# Altium PCB 同向调偏放大器.PcbDoc
Units mm, origin at the board's own origin, x right, y up, seen from the top; angles counter-clockwise.
Board outline 47.88 x 39 mm, 2 copper layers (Top Layer, Bottom Layer); 28 components, 13 nets, 75 pads, 13 vias.
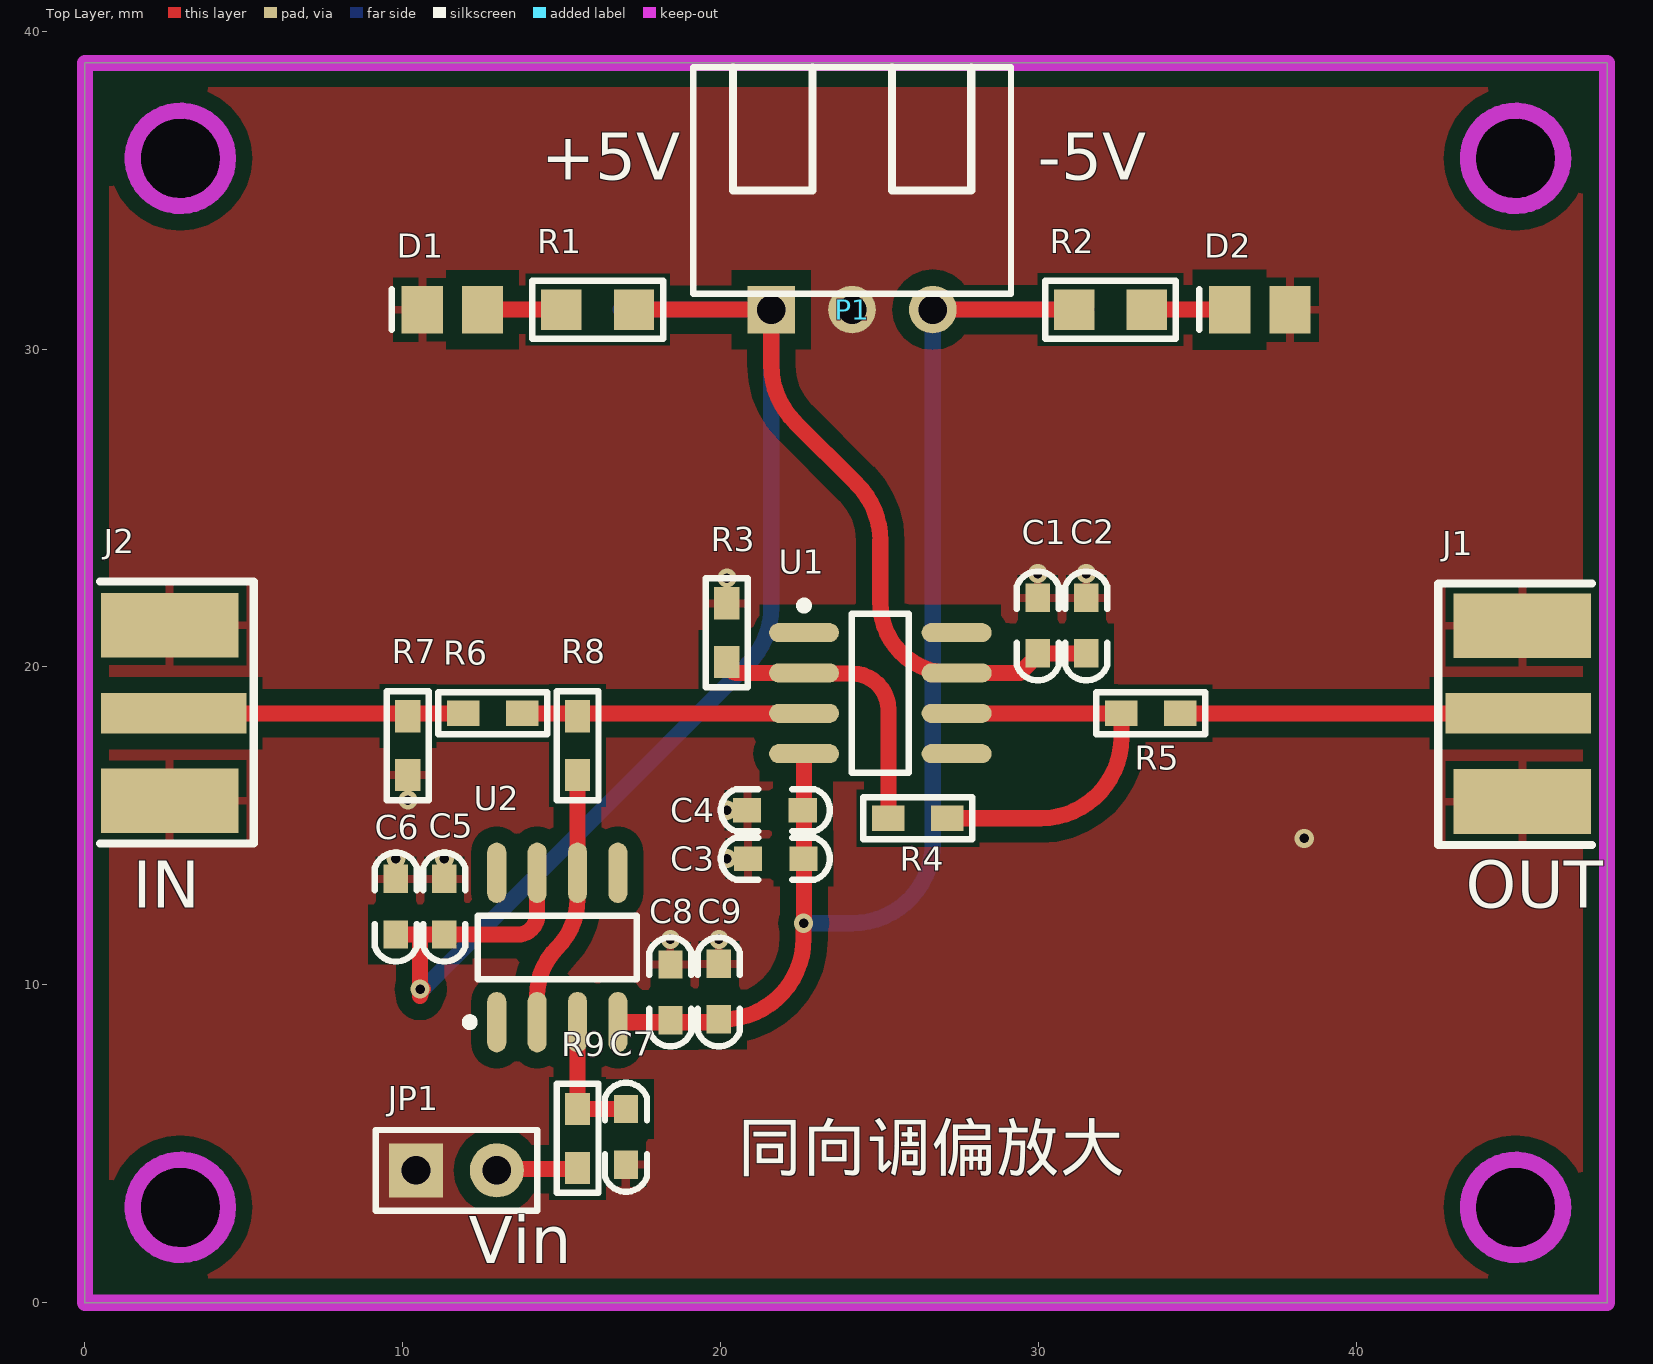
[diagram p0: Top Layer view]
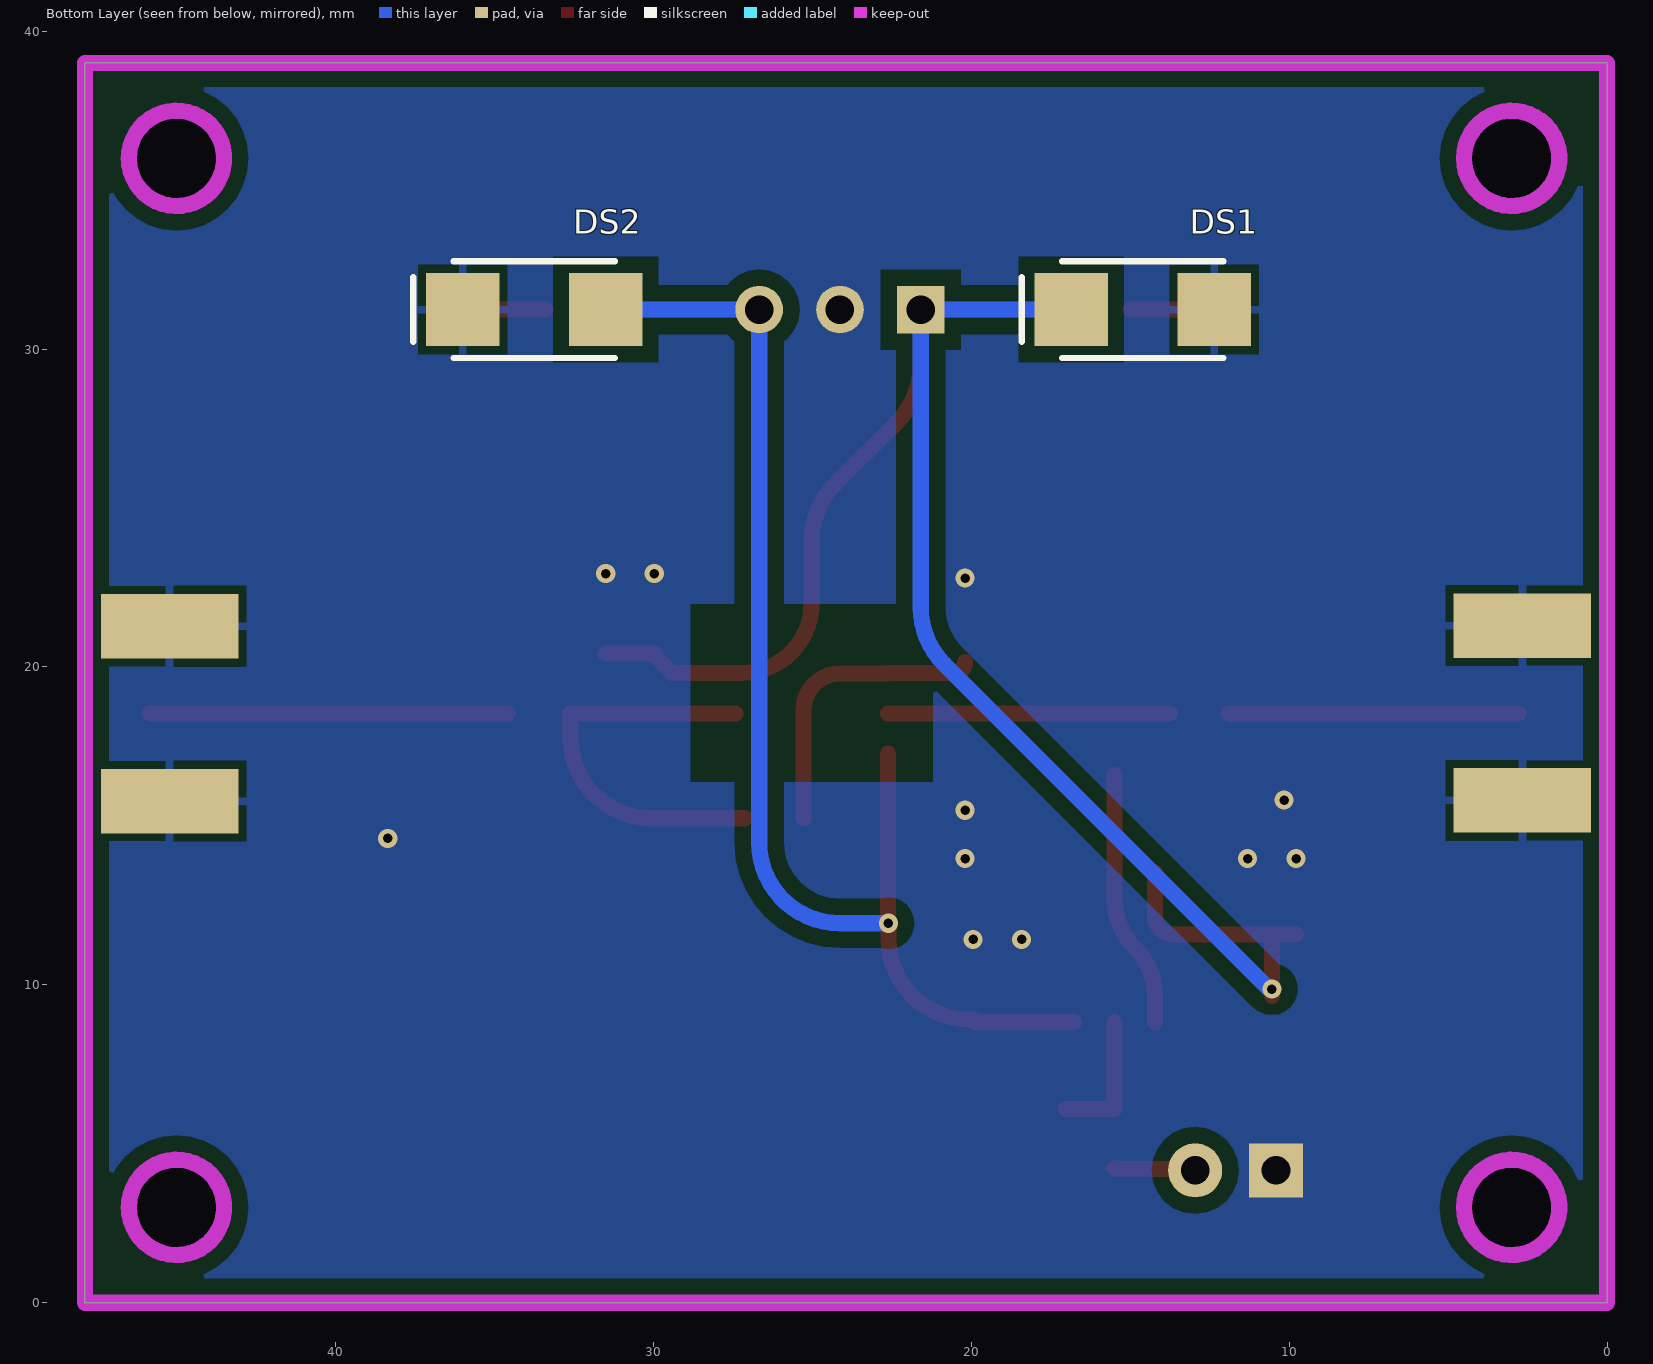
[diagram p1: Bottom Layer view, seen from below]

## Layer stack, top to bottom
Top Solder: solder mask 0.0102, Solder Resist, Dk 3.5
Top Layer: signal copper 0.0356
Dielectric 1: dielectric 0.32, FR-4, Dk 4.8
Bottom Layer: signal copper 0.0356
Bottom Solder: solder mask 0.0102, Solder Resist, Dk 3.5

## Board outline
0,0 0,39 47.879,39 47.879,0
cut-out: 43.5,36 ccw(c45,36) 45,34.5 ccw(c45,36) 46.5,36 ccw(c45,36) 45,37.5 ccw(c45,36)
cut-out: 43.5,3 ccw(c45,3) 45,1.5 ccw(c45,3) 46.5,3 ccw(c45,3) 45,4.5 ccw(c45,3)
cut-out: 3,34.5 cw(c3,36) 1.5,36 cw(c3,36) 3,37.5 cw(c3,36) 4.5,36 cw(c3,36)
cut-out: 3,1.5 cw(c3,3) 1.5,3 cw(c3,3) 3,4.5 cw(c3,3) 4.5,3 cw(c3,3)

## Design rules (kind name [scope] priority, off if disabled: settings)
Clearance [All] p1: gap=0.254 ignorepadtopadclearanceinfootprint=FALSE except(0: Arc-Hole Track-Hole SMDPad-Hole THPad-Hole Via-Hole Fill-Hole Poly-Hole Region-Hole Text-Hole; 0.508: Arc-Poly Track-Poly SMDPad-Poly THPad-Poly Via-Poly Fill-Poly Poly-Poly)
MinimumSolderMaskSliver [All] p1: minsoldermaskwidth=0
PolygonConnect [All] p1: thpad.connectstyle=Direct thpad.reliefconductorwidth=0.254 thpad.reliefentries=4 thpad.polygonreliefangle="90 Angle" thpad.airgapwidth=0.254 smdpad.connectstyle=Relief smdpad.reliefconductorwidth=0.254 smdpad.reliefentries=4 smdpad.polygonreliefangle="90 Angle" smdpad.airgapwidth=0.254 via.connectstyle=Direct via.reliefconductorwidth=0.254 via.reliefentries=4 via.polygonreliefangle="90 Angle" via.airgapwidth=0.254
RoutingVias [All] p1: holewidth=0.711 width=1.778 viastyle="Through Hole" minholewidth=0.3 minwidth=0.6 maxholewidth=0.711 maxwidth=2.54
SilkToSilkClearance [All] p1: silktosilkclearance=0
SilkToSolderMaskClearance [IsPad] p1: minsilkscreentomaskgap=0 clearancetoexposedcopper=TRUE
SolderMaskExpansion [All] p1: expansion=0.102
Width [All] p1: maxlimit=1.27 minlimit=0.025 preferedwidth=0.508
27 further rules are at their usual default settings.

## Components (designator, comment, footprint, x,y, rotation, side; value= is the part's Value field where it differs from the comment)
C1 "104" "C 0603" 29.972,21.292 r270 top
C2 "1uF" "C 0603" 31.496,21.292 r270 top
C3 "104" "C 0603" 21.717,13.97 r180 top
C4 "1uF" "C 0603" 21.717,15.494 r0 top
C5 "104" "C 0603" 11.303,12.446 r270 top
C6 "1uF" "C 0603" 9.779,12.446 r270 top
C7 "2.2uF" "C 0603" 17.018,5.207 r270 top
C8 "104" "C 0603" 18.415,9.779 r90 top
C9 "1uF" "C 0603" 19.939,9.779 r270 top
D1 "LED" LED_0805 11.557,31.242 r180 top
D2 "LED" LED_0805 36.957,31.242 r180 top
DS1 "D Schottky" DIODE-SMA 14.605,31.242 r0 bottom
DS2 "D Schottky" DIODE-SMA 33.746,31.242 r0 bottom
J1 "COAX" MCX5.08-5-H 45.085,18.542 r180 top
J2 "COAX" MCX5.08-5-H 2.794,18.542 r0 top
JP1 "HDR-1X2" HDR-1X2 10.414,4.165 r0 top
P1 "Header 3" HDR3X1_B2 24.13,31.242 r0 top
R1 "1K" "R 0805" 16.129,31.242 r180 top
R2 "1K" "R 0805" 32.258,31.242 r180 top
R3 "1K" "R 0603" 20.193,21.082 r270 top
R4 "1K" "R 0603" 26.2,15.24 r0 top
R5 "50" "R 0603" 33.528,18.542 r0 top
R6 "1K" "R 0603" 12.827,18.542 r180 top
R7 "50" "R 0603" 10.16,17.526 r90 top
R8 "1K" "R 0603" 15.494,17.526 r90 top
R9 "7.12K" "R 0603" 15.494,5.169 r270 top
U1 "OPA820" SOIC8_N 25.019,19.177 r0 top
U2 "OP07" SO8_L 14.859,11.176 r90 top

## Footprints (in the part's own frame and the unit in brackets; to place one, negate y for a bottom-side part, rotate by r counter-clockwise, add the part's x,y. Pads: shape width x height; smd on the part's side, far side on the other; paste and mask are expansions set on the pad)
"C 0603" [mil] "无极性贴片电容"
  rect 35x30 smd: 1(-35,0) 2(34,0)
  silkscreen extent -67,-26 67,26, body extent -31,-16 31,16, height 32
DIODE-SMA [mm] "贴片二极管"
  rect 2.3x2.3 smd: 1(-2.25,0) 2(2.25,0)
  silkscreen extent -2.54,-1.52 3.81,1.52, body extent -2.92,-1.4 2.92,1.4, height 3
HDR3X1_B2 [mm] "Connector; Header; 3 Position"
  rect 1.5x1.5 hole 0.9: 1(-2.54,0)
  round 1.5 hole 0.9: 2(0,0) 3(2.54,0)
  silkscreen extent -5,0.5 5,7.62, body extent -5,0.5 5,7.62, height 6
HDR-1X2 [mm] "排针，2脚"
  rect 1.7x1.7 hole 0.9: 1(0,0)
  round 1.7 hole 0.9: 2(2.54,0)
  silkscreen extent -1.27,-1.27 3.81,1.27, body extent -1.27,-1.27 3.81,1.27, height 8.5
LED_0805 [mm] "贴片二极管"
  rect 1.3x1.5 smd: 1(-0.95,0) 2(0.95,0)
  silkscreen extent 1.91,-0.63 1.91,0.64
MCX5.08-5-H [mil]
  rect 180x50 smd: 1(0,0)
  rect 170x80 smd: 2(-5,109.25) 5(-5,-108.27)
  rect 170x80 smd far side: 3(-5,108.66) 4(-5,-107.87)
  silkscreen extent -92,-161 99,163, body extent -93,-132 80,134, height 39
"R 0603" [mil] "1/10W贴片电阻"
  rect 40x31.5 smd: 1(-36.5,0) 2(36.5,0)
  silkscreen extent -68,-26 68,26, body extent -31,-16 32,16, height 16
"R 0805" [mil] "1/8W贴片电阻"
  rect 50x50 smd: 1(-45,0) 2(45,0)
  silkscreen extent -81,-36 81,36, body extent -39,-25 39,25, height 20
SO8_L [mm] "SOIC, 8-Leads, Body 4.9x3.9mm, Pitch 1.27mm, IPC High Density"
  oval 1.9x0.6 smd: 1(-2.35,1.905) 2(-2.35,0.635) 3(-2.35,-0.635) 4(-2.35,-1.905) 5(2.35,-1.905) 6(2.35,-0.635) 7(2.35,0.635) 8(2.35,1.905)
  silkscreen extent -2.47,-2.5 1,2.88, body extent -2,-2.5 2,2.5, height 1.75
SOIC8_N [mm] "8-Pin Small Outline Integrated Circuit Package (SOIC8), IPC Medium Density"
  oval 2.2x0.6 smd: 1(-2.4,1.905) 2(-2.4,0.635) 3(-2.4,-0.635) 4(-2.4,-1.905) 5(2.4,-1.905) 6(2.4,-0.635) 7(2.4,0.635) 8(2.4,1.905)
  silkscreen extent -2.52,-2.5 0.9,2.88, body extent -1.95,-2.45 1.95,2.45, height 1.75

## Part data
C1 C2 C3 C4 C5 C6 C7 C8 C9: library part C, "无极性贴片电容"
D1 D2: "发光二极管", LatestRevisionDate=08-Jul-2005, LatestRevisionNote="Mech Layer 1 removed.", PackageReference=LED, Published=8-Jun-2000, Publisher="Altium Limited"
DS1 DS2: "Schottky Diode", Code_JEDEC=DO-214-AA, LatestRevisionDate=17-Jul-2002, LatestRevisionNote="Re-released for DXP Platform.", PackageDescription="DO-214-AA/SMB; 2 C-Bend Leads; Body 5.3 x 3.6 mm, inc. leads (LxW)", PackageReference=SMB, Published=8-Jun-2000, Publisher="Altium Limited"
JP1: library part "Header 2", "2P接插件"
P1: "接插件", LatestRevisionDate=17-Jul-2002, LatestRevisionNote="Re-released for DXP Platform.", Publisher="Altium Limited"
R1 R2 R3 R4 R5 R6 R7 R8 R9: library part R, "贴片电阻"
U1: "单位增益稳定低噪声电压反馈运算放大器"
U2: "Precision Operational Amplifiers"

## Via types
v1: diameter 0.6, hole 0.3, Top Layer to Bottom Layer, tented both sides, 9 vias
v2: diameter 0.6, hole 0.3, Top Layer to Bottom Layer, 4 vias

## Nets (pads, with @x,y where several pads share a name; then routed paths per layer and width w, separated by ;. In a path a pad name is that pad's centre, name@x,y a point inside that pad or via, vN(x,y) a via of type N, cw(c..) or ccw(c..) an arc to the next point about the centre after c; other vN are vias at no path point)
GND: C1.1 C2.1 C3.2 C4.1 C5.1 C6.1 C7.2 C8.2 C9.1 D1.2 D2.1 DS1.1 DS2.2 J1.2 J1.3 J1.4 J1.5 J2.2 J2.3 J2.4 J2.5 JP1.1 P1.2 R3.1 R7.1
  other v1: 18.415,11.43 19.939,11.43 9.779,13.97 11.303,13.97 20.193,15.494 10.16,15.811 20.193,22.796 29.972,22.936 31.496,22.936
  other v2: 20.193,13.97 38.354,14.605
NetC7_1: C7.1 R9.1 U2.3 | length 4.3
  Top Layer w0.508: U2.3 R9.1 C7.1
NetD1_1: D1.1 R1.2 | length 2.5
  Top Layer w0.508: D1.1 R1.2
NetD2_2: D2.2 R2.1 | length 2.6
  Top Layer w0.508: R2.1 D2.2
NetJ1_1: J1.1 R5.2 | length 11.3
  Top Layer w0.508: R5.2@34.582,18.542 J1.1@45.847,18.542
NetJ2_1: J2.1 R6.2 R7.2 | length 9.1
  Top Layer w0.508: J2.1 R6.2
NetJP1_2: JP1.2 R9.2 | length 2.6
  Top Layer w0.508: JP1.2 12.992,4.203 15.456,4.203 R9.2
NetR3_2: R3.2 R4.1 U1.2 | length 9.3
  Top Layer w0.508: R3.2 ccw(c20.536,20.155) 20.536,19.812 U1.2 22.637,19.794 24.13,19.794 cw(c24.13,18.651) 25.273,18.651 R4.1
NetR4_2: R4.2 R5.1 U1.6 | length 12.9
  Top Layer w0.508: R4.2 30.061,15.24 ccw(c30.061,17.78) 32.601,17.78 R5.1 U1.6
NetR6_1: R6.1 R8.2 U1.3 | length 8.9
  Top Layer w0.508: R6.1 U1.3
NetR8_1: R8.1 U2.2 U2.6 | length 8.1
  Top Layer w0.508: U2.2 14.224,9.643 cw(c16.392,9.643) 14.859,11.176 ccw(c13.326,12.709) 15.494,12.709 U2.6 R8.1
VCC: C1.2 C2.2 C5.2 C6.2 DS1.2 P1.1 R1.1 U1.7 U2.7 | length 61.9
  Top Layer w0.508: C6.2 10.541,11.582 10.541,11.423 ; v2(10.541,9.869) 10.631,9.869 ccw(c10.848,9.652) 10.541,9.652 10.541,11.423 ; U2.7 14.224,12.192 cw(c13.614,12.192) 13.614,11.582 C5.2 10.607,11.582 ccw(c10.766,11.423) 10.541,11.423 ; R1.1 P1.1 21.59,29.5 ccw(c24.13,29.5) 22.334,27.704 24.275,25.763 cw(c22.479,23.967) 25.019,23.967 25.019,22.009 ccw(c27.216,22.009) 27.216,19.812 U1.7 29.419,19.812 29.972,20.365 C1.2 C2.2
  Bottom Layer w0.508: v2(10.541,9.869) 10.631,9.869 20.846,20.084 ccw(c19.05,21.88) 21.59,21.88 P1.1 DS1.2
VEE: C3.1 C4.2 C8.1 C9.2 DS2.1 P1.3 R2.2 U1.4 U2.4 | length 44.7
  Top Layer w0.508: U2.4 19.85,8.826 ccw(c19.85,8.915) C9.2 20.066,8.915 ccw(c20.066,11.455) 22.606,11.455 v2(22.606,11.938) 22.619,11.938 U1.4 ; P1.3 R2.2
  Bottom Layer w0.508: v2(22.606,11.938) 24.13,11.938 ccw(c24.13,14.478) 26.67,14.478 P1.3 DS2.1
pads on no net: U1.1 U1.5 U1.8 U2.1 U2.5 U2.8

## Polygon pours and split planes (outlines as drawn)
GND on Top Layer "Top Layer-No Net" (solid, remove dead copper, pour order 30): 0,0 0,39 47.879,39 47.879,0
GND on Bottom Layer "Top Layer-No Net1" (solid, remove dead copper, pour order 31): 0,0 0,39 47.879,39 47.879,0

## Keep-outs
Keep-Out Layer:
  circle w0.508: c3,3 r1.5
  circle w0.508: c45,3 r1.5
  circle w0.508: c45,36 r1.5
  circle w0.508: c3,36 r1.5
  lines w0.508: 0,0 0,39 47.879,39 47.879,0 0,0

## Other copper
Top Layer:
  pour cut-out: 21.209,21.971 28.829,21.971 28.829,16.383 21.209,16.383
Bottom Layer:
  pour cut-out: 21.209,21.971 28.829,21.971 28.829,16.383 21.209,16.383

## Silkscreen, mask and mechanical layers (free items; w line width, h text height)
Top Overlay:
  text "+5V" at 14.351,34.835 h2.54
  text "-5V" at 29.972,34.835 h2.54
  text "IN" at 1.5,11.938 h2.54
  text "OUT" at 43.434,11.938 h2.54
  text "同向调偏放大" at 20.536,3.677 h2.54
  text "Vin" at 12.065,0.762 h2.54